# KiCad board board.kicad_pcb (continued)
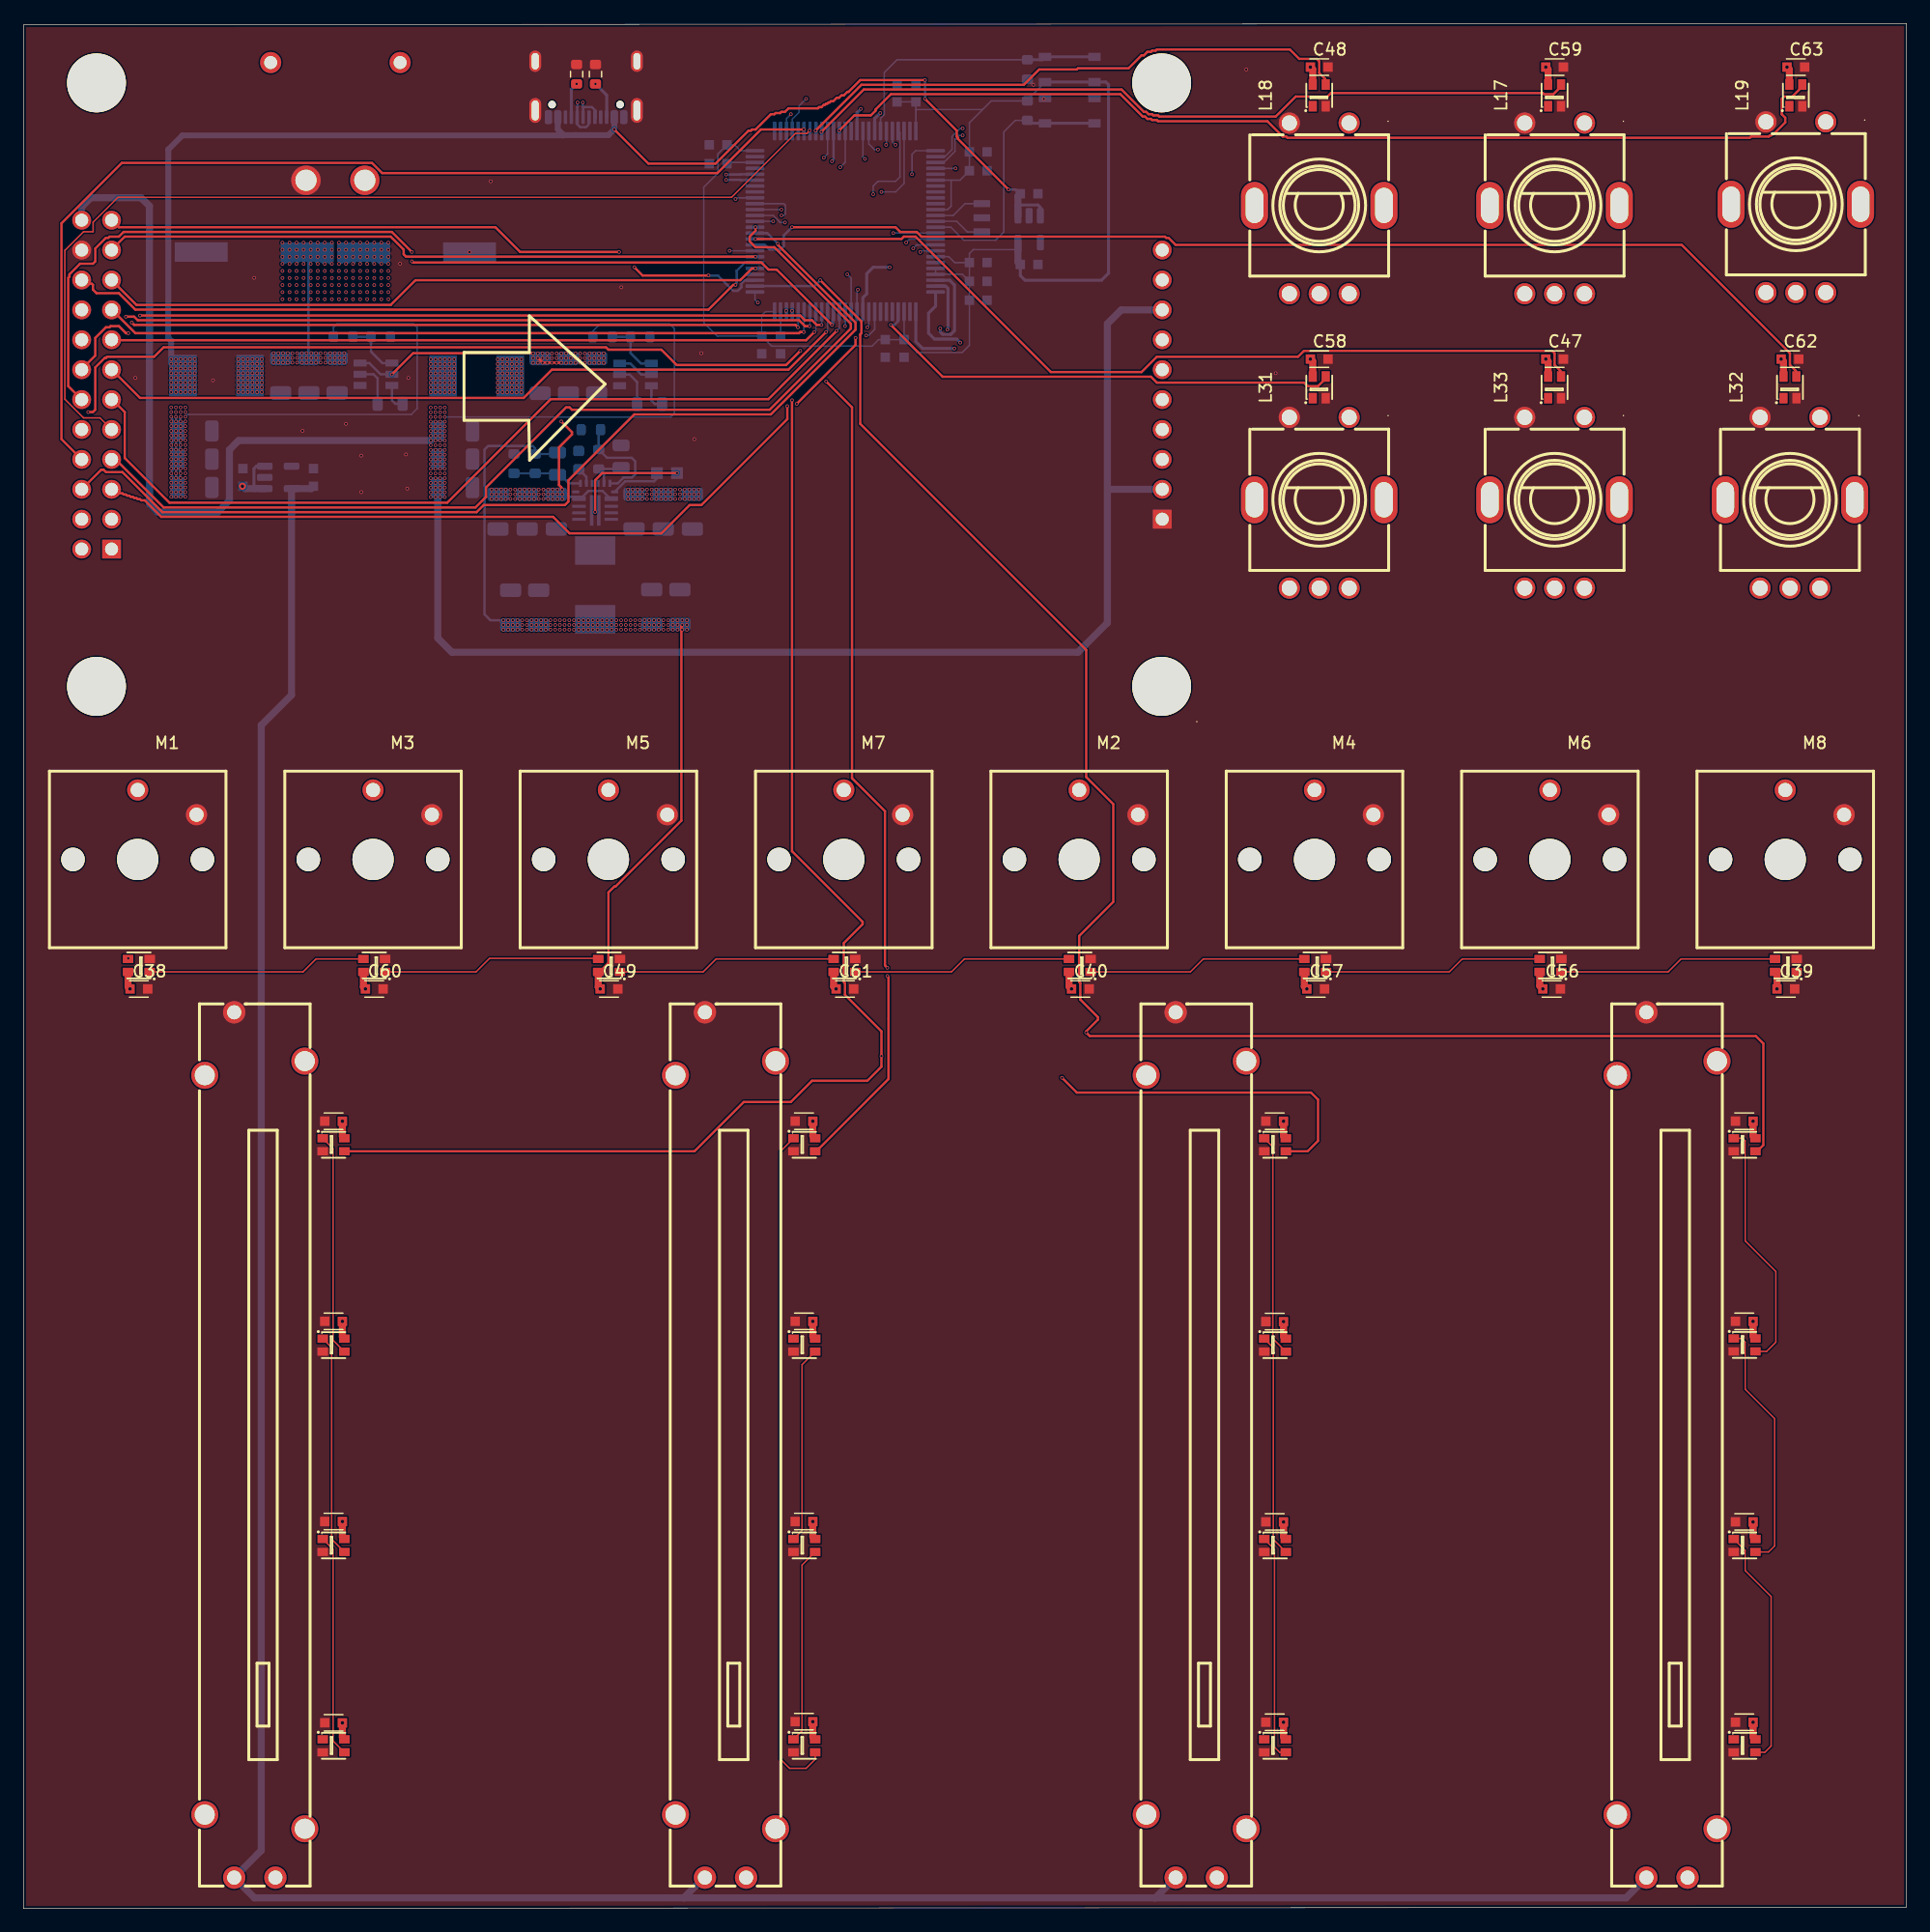
[diagram p0: board, top side]
## Nets
+3.3V_ANALOG: C3.1 F1.1 F2.1 F3.1 F4.1 U1.5
+3.3V_DIGITAL: C4.1 C11.1 C12.1 C13.1 C14.1 C15.1 C16.1 C17.1 C18.1 C19.1 C20.1 C21.1 R3.2 SW2.3 SW2.4 U2.5 U3.6 U3.11 U3.19 U3.21 U3.22 U3.28 U3.50 U3.75 U3.100
+3.3V_DISPLAY: C80.1 C83.1 C86.1 R9.2 U4.24 U4.26 U4.32 U8.2
+5V_LED: C22.1 C23.1 C24.1 C25.1 C26.1 C27.1 C28.1 C29.1 C30.1 C31.1 C32.1 C33.1 C34.1 C35.1 C36.1 C37.1 C38.1 C39.1 C40.1 C47.1 C48.1 C49.1 C56.1 C57.1 C58.1 C59.1 C60.1 C61.1 C62.1 C63.1 C85.2 C88.2 C89.2 C90.2 C91.2 L1.4 L2.4 L3.4 L4.4 L5.4 L6.4 L7.4 L8.4 L9.4 L10.4 L11.4 L12.4 L13.4 L14.4 L15.4 L16.4 L17.4 L18.4 L19.4 L20.4 L24.4 L28.4 L29.4 L30.4 L31.4 L32.4 L33.4 L34.4 L38.4 L42.4 L43.2 R8.1
+5V_SYS: C1.1 C2.1 C82.1 C84.1 C87.1 J1.A4 J1.A9 J1.B4 J1.B9 R11.2 U1.1 U1.3 U2.1 U2.3 U9.2
+12V: C5.1 C8.1 C64.2 C65.1 C66.1 C67.2 C68.1 C69.1 C70.2 C72.1 C73.2 C74.1 C75.2 C76.2 CN1.2 U5.3 U5.5 U6.3 U6.5 U7.2 U7.11
GND: C1.2 C2.2 C3.2 C4.2 C5.2 C8.2 C9.1 C10.1 C11.2 C12.2 C13.2 C14.2 C15.2 C16.2 C17.2 C18.2 C19.2 C20.2 C21.2 C22.2 C23.2 C24.2 C25.2 C26.2 C27.2 C28.2 C29.2 C30.2 C31.2 C32.2 C33.2 C34.2 C35.2 C36.2 C37.2 C38.2 C39.2 C40.2 C47.2 C48.2 C49.2 C56.2 C57.2 C58.2 C59.2 C60.2 C61.2 C62.2 C63.2 C64.1 C65.2 C66.2 C67.1 C68.2 C69.2 C70.1 C71.1 C72.2 C73.1 C74.2 C75.1 C76.1 C77.1 C80.2 C82.2 C83.2 C84.2 C86.2 C87.2 C88.1 C89.1 C90.1 C91.1 CN1.1 EN1.D EN2.D EN3.D EN4.D EN5.D EN6.D F1.3 F2.3 F3.3 F4.3 J1.A1 J1.A12 J1.B1 J1.B12 J1.SH L1.2 L2.2 L3.2 L4.2 L5.2 L6.2 L7.2 L8.2 L9.2 L10.2 L11.2 L12.2 L13.2 L14.2 L15.2 L16.2 L17.2 L18.2 L19.2 L20.2 L24.2 L28.2 L29.2 L30.2 L31.2 L32.2 L33.2 L34.2 L38.2 L42.2 M1.2 M2.2 M3.2 M4.2 M5.2 M6.2 M7.2 M8.2 R1.1 R2.1 R4.2 R5.2 R7.1 R10.1 R12.1 SW1.1 SW1.2 U1.2 U2.2 U3.10 U3.20 U3.27 U3.74 U3.99 U4.22 U4.25 U5.1 U6.1 U7.3 U7.4 U7.5 U7.8 U7.9 U7.10 X1.2
BACKLIGHT_PWM: U3.53 U4.23
BOOT0: R4.1 SW2.1 SW2.2 U3.94
CC1: J1.A5 R1.2
CC2: J1.B5 R2.2
EN: U7.15
ENC1_A: EN1.A U3.35
ENC1_B: EN1.B U3.36
ENC1_SW: EN1.E U3.37
ENC2_A: EN2.A U3.90
ENC2_B: EN2.B U3.91
ENC2_SW: EN2.E U3.92
ENC3_A: EN3.A U3.93
ENC3_B: EN3.B U3.95
ENC3_SW: EN3.E U3.96
ENC4_A: EN4.A U3.97
ENC4_B: EN4.B U3.98
ENC4_SW: EN4.E U3.1
ENC5_A: EN5.A U3.2
ENC5_B: EN5.B U3.3
ENC5_SW: EN5.E U3.4
ENC6_A: EN6.A U3.65
ENC6_B: EN6.B U3.66
ENC6_SW: EN6.E U3.78
FADER_1: F1.2 U3.23
FADER_2: F2.2 U3.24
FADER_3: F3.2 U3.25
FADER_4: F4.2 U3.26
FSMC_A16: U3.58 U4.2
FSMC_D0: U3.61 U4.6
FSMC_D1: U3.62 U4.7
FSMC_D2: U3.81 U4.8
FSMC_D3: U3.82 U4.9
FSMC_D4: U3.38 U4.10
FSMC_D5: U3.39 U4.11
FSMC_D6: U3.40 U4.12
FSMC_D7: U3.41 U4.13
FSMC_D8: U3.42 U4.14
FSMC_D9: U3.43 U4.15
FSMC_D10: U3.44 U4.16
FSMC_D11: U3.45 U4.17
FSMC_D12: U3.46 U4.18
FSMC_D13: U3.55 U4.19
FSMC_D14: U3.56 U4.20
FSMC_D15: U3.57 U4.21
FSMC_NE1: U3.88 U4.1
FSMC_NOE: U3.85 U4.4
FSMC_NWE: U3.86 U4.3
LCD_RST: U3.34 U4.5
LED_ENC1_DATA: L18.3 U3.83
LED_ENC2_DATA: L17.3 U3.84
LED_ENC3_DATA: L19.3 U3.87
LED_ENC4_DATA: L32.3 U3.59
LED_ENC5_DATA: L33.3 U3.60
LED_ENC6_DATA: L31.3 U3.29
LED_FADER1_DATA: L1.3 U3.47
LED_FADER2_DATA: L2.3 U3.48
LED_FADER3_DATA: L3.3 U3.51
LED_FADER4_DATA: L4.3 U3.52
LED_KEYS_DATA: L20.3 U3.67
SW_1: M1.1 U3.15
SW_2: M2.1 U3.16
SW_3: M3.1 U3.17
SW_4: M4.1 U3.18
SW_5: M5.1 U3.33
SW_6: M6.1 U3.63
SW_7: M7.1 U3.64
SW_8: M8.1 U3.79
SWCLK: U3.76
SWDIO: U3.72
USB_D+: J1.A6 J1.B6 U3.71
USB_D-: J1.A7 J1.B7 U3.70
Net-(C81-Pad2): C81.2 L43.1 U7.6 U7.7
Net-(L1-DOUT): L1.1 L5.3
Net-(L2-DOUT): L2.1 L6.3
Net-(L3-DOUT): L3.1 L7.3
Net-(L4-DOUT): L4.1 L8.3
Net-(L5-DOUT): L5.1 L9.3
Net-(L10-DIN): L6.1 L10.3
Net-(L10-DOUT): L10.1 L14.3
Net-(L11-DIN): L7.1 L11.3
Net-(L11-DOUT): L11.1 L15.3
Net-(L12-DIN): L8.1 L12.3
Net-(L12-DOUT): L12.1 L16.3
Net-(L13-DIN): L9.1 L13.3
Net-(L20-DOUT): L20.1 L24.3
Net-(L24-DOUT): L24.1 L28.3
Net-(L28-DOUT): L28.1 L29.3
Net-(L29-DOUT): L29.1 L30.3
Net-(L30-DOUT): L30.1 L34.3
Net-(L34-DOUT): L34.1 L38.3
Net-(L38-DOUT): L38.1 L42.3
Net-(U3-NRST): R3.1 SW1.3 SW1.4 U3.14
Net-(U3-PH0): U3.12 X1.1
Net-(U3-PH1): U3.13 X1.3
Net-(U3-VCAP_1): C9.2 U3.49
Net-(U3-VCAP_2): C10.2 U3.73
Net-(U5-SW): C78.2 U5.2 U8.1
Net-(U5-VBST): C78.1 U5.6
Net-(U5-VFB): R9.1 R10.2 U5.4
Net-(U6-SW): C79.2 U6.2 U9.1
Net-(U6-VBST): C79.1 U6.6
Net-(U6-VFB): R11.1 R12.2 U6.4
Net-(U7-BOOT): C81.1 U7.1
Net-(U7-FB): C85.1 R7.2 R8.2 U7.13
Net-(U7-MODE): R5.1 R6.2 U7.18
Net-(U7-SS): C71.2 U7.14
Net-(U7-VREG5): C77.2 R6.1 U7.17

Pads without a net: CN1 3 4; EN1 6 7 C; EN2 6 7 C; EN3 6 7 C; EN4 6 7 C; EN5 6 7 C; EN6 6 7 C; F1 4 5 6 7; F2 4 5 6 7; F3 4 5 6 7; F4 4 5 6 7; J1 A8 B8; L13 1; L14 1; L15 1; L16 1; L17 1; L18 1; L19 1; L31 1; L32 1; L33 1; L42 1; U1 4; U2 4; U3 5 7 8 9 30 31 32 54 68 69 77 80 89; U4 27 28 29 30 31 33 34; U7 12 16

## Via types
v1: diameter 0.3, hole 0.2, Top to Bottom, 926 vias
v2: diameter 0.6, hole 0.3, Top to Bottom, 31 vias

## Routing (per net, layer and track width the routed paths; a pad name or vN(x,y) marks a point on that pad's centre or on a via; arc(x,y) is an arc through that point)
+3.3V_ANALOG: length 248.4
  Bottom w0.6: F2.1 57.82,2.62 56.1,0.9 ; 96.1,0.9 136.18,0.9 F4.1 ; 96.1,0.9 56.1,0.9 ; 96.1,0.9 96.18,0.9 F3.1 ; 56.1,0.9 19.62,0.9 F1.1 20.2,4.92 20.2,100.5 22.78,103.08 22.78,120.6 24.44,120.6 C3.1
+3.3V_DIGITAL: length 127.9
  Bottom w0.125: 78.82,146.8 79.57,146.8 C12.1 C16.1 80.38,151.68 81.5,152.8 ; 78.82,146.8 78.82,144.6 78.52,144.3 U3.11 ; 78.82,146.8 U3.6 ; C13.1 62.73,135.3 63.05,135.62 U3.50 ; C13.1 63.57,132.7 72.1,132.7 72.65,133.25 C17.1 C20.1 ; C13.1 58.95,133.55 57.8,134.7 57.8,146.2 59,147.4 59,149.03 C18.1 60.43,149.8 60.93,149.3 U3.75 ; C20.1 U3.28 ; C20.1 75.91,132.16 79.76,132.16 80.38,132.78 C14.1 C21.1 ; 75.82,152.8 75.82,150.97 ; 75.82,152.8 81.5,152.8 ; 75.82,152.8 C15.1 C11.1 ; 81.5,152.8 82.23,153.53 R3.2 85.3,153.63 SW2.4 ; C19.1 79.77,138.8 U3.22 U3.21 ; C21.1 79.12,139.8 78.62,140.3 U3.19 ; C21.1 80.38,140.57 80.7,140.9 84.4,140.9 84.5,140.8
  Bottom w0.254: SW2.4 SW2.3 91.97,155.13 92.2,154.9 92.2,138.9 91.6,138.3 85.1,138.3 84.7,138.7 C4.1
  Bottom w0.6: C4.1 84.5,139.84 U2.5
+3.3V_DISPLAY: length 203
  Bottom w0.125: v1(35.8,126.69) 55,126.69 55.3,126.98 55.3,134.19 54.9,134.59 49,134.59 48.38,133.96 R9.2
  Bottom w0.6: U4.24 4.94,144.54 5.7,145.3 10,145.3 10.7,144.6 10.7,119.3 11.4,118.6 16.5,118.6 17.5,119.6 17.5,123.9 18.28,124.69 v1(34.6,124.69) ; 92.24,120.54 U4.26 ; U4.32 93.28,135.78 92.1,134.6 92.1,109.2 89.6,106.7 36.4,106.7 35.2,107.9 C83.1
  vias: v1(34.6,131.59) v1(34.6,131.19) v1(34.6,130.78) v1(34.6,130.38) v1(34.6,129.99) v1(34.6,129.59) v1(34.6,129.19) v1(34.6,128.78) v1(34.6,127.48) v1(34.6,127.09) v1(34.6,126.69) v1(34.6,126.28) v1(34.6,125.88) v1(34.6,125.48) v1(34.6,125.09) v1(34.6,124.28) v1(34.6,123.88) v1(34.6,123.48) v1(34.6,123.09) v1(34.6,122.69) v1(34.6,122.28) v1(34.6,121.88) v1(34.6,121.48) v1(34.6,121.09) v1(34.6,120.69) v1(34.6,120.28) v1(34.6,119.88) v1(35,131.59) v1(35,131.19) v1(35,130.78) v1(35,130.38) v1(35,129.99) v1(35,129.59) v1(35,129.19) v1(35,128.78) v1(35,127.48) v1(35,127.09) v1(35,126.69) v1(35,126.28) v1(35,125.88) v1(35,125.48) v1(35,125.09) v1(35,124.69) v1(35,124.28) v1(35,123.88) v1(35,123.48) v1(35,123.09) v1(35,122.69) v1(35,122.28) v1(35,121.88) v1(35,121.48) v1(35,121.09) v1(35,120.69) v1(35,120.28) v1(35,119.88) v1(35.4,131.59) v1(35.4,131.19) v1(35.4,130.78) v1(35.4,130.38) v1(35.4,129.99) v1(35.4,129.59) v1(35.4,129.19) v1(35.4,128.78) v1(35.4,127.48) v1(35.4,127.09) v1(35.4,126.69) v1(35.4,126.28) v1(35.4,125.88) v1(35.4,125.48) v1(35.4,125.09) v1(35.4,124.69) v1(35.4,124.28) v1(35.4,123.88) v1(35.4,123.48) v1(35.4,123.09) v1(35.4,122.69) v1(35.4,122.28) v1(35.4,121.88) v1(35.4,121.48) v1(35.4,121.09) v1(35.4,120.69) v1(35.4,120.28) v1(35.4,119.88) v1(35.8,131.59) v1(35.8,131.19) v1(35.8,130.78) v1(35.8,130.38) v1(35.8,129.99) v1(35.8,129.59) v1(35.8,129.19) v1(35.8,128.78) v1(35.8,127.48) v1(35.8,127.09) v1(35.8,126.28) v1(35.8,125.88) v1(35.8,125.48) v1(35.8,125.09) v1(35.8,124.69) v1(35.8,124.28) v1(35.8,123.88) v1(35.8,123.48) v1(35.8,123.09) v1(35.8,122.69) v1(35.8,122.28) v1(35.8,121.88) v1(35.8,121.48) v1(35.8,121.09) v1(35.8,120.69) v1(35.8,120.28) v1(35.8,119.88) v1(36.2,131.59) v1(36.2,131.19) v1(36.2,130.78) v1(36.2,130.38) v1(36.2,129.99) v1(36.2,129.59) v1(36.2,129.19) v1(36.2,128.78) v1(36.6,131.59) v1(36.6,131.19) v1(36.6,130.78) v1(36.6,130.38) v1(36.6,129.99) v1(36.6,129.59) v1(36.6,129.19) v1(36.6,128.78)
+5V_LED: length 724.7
  Top w0.2: 56,109 55.9,108.9 55.9,92.4 50.3,86.8 50.2,86.8 49.7,86.3 49.7,80.3 49,79.6 48.8,79.6 L28.4
  Top w0.6: L32.4 149.55,131.4 v2(149.35,131.6) ; v2(107.07,66.86) 107.07,65.61 107.26,65.42 ; 107.26,31.38 107.07,31.58 v2(107.07,32.83) ; v2(149,78.1) 149,79.39 L42.4 ; v2(149.85,156.4) 150.05,156.2 L19.4 ; v2(129.35,156.4) 129.55,156.2 L17.4 ; L29.4 68.83,78.31 v2(69.05,78.1) ; v2(27.09,32.87) 27.09,31.55 L9.4 ; L18.4 109.55,156.2 v2(109.35,156.4) ; v2(146.97,49.87) 146.97,48.61 L8.4 ; v2(49,78.1) 48.83,78.27 L28.4 ; L38.4 128.83,78.36 v2(129.1,78.1) ; v2(109.05,78.1) 108.83,78.31 L34.4 ; 107.26,48.4 107.07,48.6 v2(107.07,49.85) ; 67.26,14.37 67.07,14.56 v2(67.07,15.87) ; v2(107.07,15.81) 107.07,14.56 107.26,14.37 ; L13.4 27.09,14.53 v2(27.09,15.76) ; L5.4 27.09,48.57 v2(27.09,49.87) ; L33.4 129.55,131.4 v2(129.35,131.6) ; v2(109.35,131.6) 109.55,131.4 L31.4 ; v2(89.05,78.1) 88.83,78.31 L30.4 ; 27.26,65.42 27.09,65.58 v2(27.09,66.86) ; v2(146.97,66.86) 146.97,65.61 147.17,65.42 ; v2(67.07,66.86) 67.07,65.61 67.26,65.42 ; v2(67.07,49.87) 67.07,48.6 67.26,48.4 ; 67.26,31.38 67.07,31.58 v2(67.07,32.87) ; L20.4 8.88,78.27 v2(9.05,78.1) ; v2(146.97,32.83) 146.97,31.58 L12.4 ; v2(29.05,78.1) 28.88,78.27 L24.4 ; L16.4 146.97,14.56 v2(146.97,15.81)
  In4.Cu w0.6: v2(109.05,78.1) v2(89.05,78.1) v2(69.05,78.1) ; v2(109.05,78.1) 109.05,68.85 v2(107.07,66.86) v2(107.07,15.81) ; v2(109.05,78.1) 119.1,78.1 ; 137.3,78.1 v2(149,78.1) 149,68.4 147.46,66.86 v2(146.97,66.86) v2(146.97,15.81) ; 137.3,78.1 140.2,81 140.2,131.6 ; 137.3,78.1 v2(129.1,78.1) 119.1,78.1 ; v2(29.05,78.1) v2(9.05,78.1) ; v2(29.05,78.1) 29.05,68.82 v2(27.09,66.86) v2(27.09,15.76) ; v2(29.05,78.1) v2(49,78.1) v2(69.05,78.1) ; 119.1,78.1 120.9,79.9 120.9,131.6 v2(109.35,131.6) ; 140.2,131.6 v2(149.35,131.6) 154.6,131.6 158.5,135.5 158.5,153.1 155.2,156.4 v2(149.85,156.4) v2(109.35,156.4) ; 140.2,131.6 v2(129.35,131.6) ; v2(69.05,78.1) 69.05,68.85 67.07,66.87 v2(67.07,66.86) v2(67.07,15.87)
  Bottom w0.2: v1(44.78,109.42) C89.2 ; C89.2 v1(42.78,108.62) ; C89.2 v1(42.78,109.42) ; C89.2 v1(44.78,108.62) ; 56,109 55.9,109 55.8,109.1 C91.2 ; v1(40.78,109.42) 39.68,109.42 39.18,109.92 39.18,123.92 39.47,124.22 43.28,124.22 43.47,124.02 R8.1 45.25,123.54 C85.2 ; v1(54.38,108.62) C90.2 ; C90.2 v1(52.38,109.42) ; C90.2 v1(54.38,109.42) ; C90.2 v1(52.38,108.62) ; v1(54.77,109.42) C91.2 ; C91.2 v1(54.77,108.62)
  vias: v1(40.78,109.02) v1(40.78,108.62) v1(41.18,109.42) v1(41.18,109.02) v1(41.18,108.62) v1(41.57,109.42) v1(41.57,109.02) v1(41.57,108.62) v1(41.97,109.42) v1(41.97,109.02) v1(41.97,108.62) v1(42.38,109.42) v1(42.38,109.02) v1(42.38,108.62) v1(42.78,109.02) v1(43.18,109.42) v1(43.18,109.02) v1(43.18,108.62) v1(43.57,109.42) v1(43.57,109.02) v1(43.57,108.62) v1(43.97,109.42) v1(43.97,109.02) v1(43.97,108.62) v1(44.38,109.42) v1(44.38,109.02) v1(44.38,108.62) v1(44.78,109.02) v1(45.18,109.42) v1(45.18,109.02) v1(45.18,108.62) v1(45.57,109.42) v1(45.57,109.02) v1(45.57,108.62) v1(45.97,109.42) v1(45.97,109.02) v1(45.97,108.62) v1(46.38,109.42) v1(46.38,109.02) v1(46.38,108.62) v1(46.77,109.42) v1(46.77,109.02) v1(46.77,108.62) v1(47.18,109.42) v1(47.18,109.02) v1(47.18,108.62) v1(47.57,109.42) v1(47.57,109.02) v1(47.57,108.62) v1(47.98,109.42) v1(47.98,109.02) v1(47.98,108.62) v1(48.38,109.42) v1(48.38,109.02) v1(48.38,108.62) v1(48.77,109.42) v1(48.77,109.02) v1(48.77,108.62) v1(49.18,109.42) v1(49.18,109.02) v1(49.18,108.62) v1(49.57,109.42) v1(49.57,109.02) v1(49.57,108.62) v1(49.98,109.42) v1(49.98,109.02) v1(49.98,108.62) v1(50.38,109.42) v1(50.38,109.02) v1(50.38,108.62) v1(50.77,109.42) v1(50.77,109.02) v1(50.77,108.62) v1(51.18,109.42) v1(51.18,109.02) v1(51.18,108.62) v1(51.57,109.42) v1(51.57,109.02) v1(51.57,108.62) v1(51.98,109.42) v1(51.98,109.02) v1(51.98,108.62) v1(52.38,109.02) v1(52.77,109.42) v1(52.77,109.02) v1(52.77,108.62) v1(53.18,109.42) v1(53.18,109.02) v1(53.18,108.62) v1(53.57,109.42) v1(53.57,109.02) v1(53.57,108.62) v1(53.98,109.42) v1(53.98,109.02) v1(53.98,108.62) v1(54.38,109.02) v1(54.77,109.02) v1(55.18,109.42) v1(55.18,109.02) v1(55.18,108.62) v1(55.57,109.42) v1(55.57,109.02) v1(55.57,108.62) v1(55.98,109.42) v1(55.98,109.02) v1(55.98,108.62) v1(56.38,109.42) v1(56.38,109.02) v1(56.38,108.62)
+5V_SYS: length 187.9
  Top w0.2: v1(83.7,146) 79.4,150.3 79.4,150.4 79.3,150.5 79.3,151 v1(76.6,153.7) ; v1(76.6,155.3) 71.1,155.3 70.1,154.3 70,154.3 69.7,154 69.5,154 69.3,153.8 69.1,153.8 68.8,153.5 68.6,153.5 68.5,153.4 68.4,153.4 68.3,153.3 68.2,153.3 68.1,153.2 68,153.2 67.8,153 67.6,153 67.5,152.9 65,152.9 64.7,152.6 64.4,152.6 64.3,152.5 63.9,152.5 63.8,152.4 63.5,152.4 62.2,151.1 61.9,151.1 61.8,151 61.6,151 58.8,148.2 53.1,148.2 v1(50.2,151.1)
  In1.Cu w0.5: v2(18.6,120.8) 18.6,119.4 17.9,118.7 13.9,118.7 13.35,119.25 v1(13.35,119.9)
  Bottom w0.125: v1(13.75,126.7) 13.95,126.9 32.95,126.9 33.45,127.4 33.45,134.3 33.15,134.6 26.65,134.6 26.32,134.28 26.32,133.5
  Bottom w0.2: v1(13.75,120.7) C84.1 ; C84.1 v1(13.75,120.3) ; C84.1 v1(12.95,121.9) C87.1 ; C84.1 v1(13.75,121.5) ; C84.1 v1(12.55,121.9) C87.1 ; C84.1 v1(13.35,121.9) C87.1 ; C84.1 v1(13.75,119.9) ; C84.1 v1(13.75,121.1) ; C87.1 v1(12.95,124.3) C82.1 ; C87.1 v1(13.75,122.3) ; C87.1 v1(13.35,124.3) C82.1 ; C87.1 v1(13.75,123.1) ; C87.1 v1(13.75,123.9) ; C87.1 v1(13.75,123.5) ; C87.1 v1(13.75,122.7) ; C87.1 v1(12.55,124.3) C82.1 ; v1(13.75,125.1) C82.1 ; C82.1 v1(13.75,125.5) ; C82.1 v1(13.75,125.9) ; C82.1 v1(13.35,126.7) ; C82.1 v1(13.75,126.3) ; C82.1 v1(12.55,126.7) ; C82.1 v1(12.95,126.7) ; C82.1 v1(13.75,124.7) ; v1(83.7,146) 84.3,146 84.7,145.6 C2.1 ; v1(76.6,155.3) v1(76.6,153.7) ; 50.2,151.12 v1(50.2,151.1)
  Bottom w0.254: U1.3 19.79,122.5 19.59,122.3 19.59,120.65 19.64,120.6 ; U2.3 86.4,144.49 86.2,144.69 84.55,144.69 84.5,144.64
  Bottom w0.5: 45.9,150.62 45.88,150.6 13.5,150.6 12.3,149.4 12.3,133.4 12.55,133.15 v1(12.55,131.2) ; 45.9,150.62 49.7,150.62 50.2,151.12 J1.A9 ; 45.9,150.62 45.4,151.12 J1.A4
  Bottom w0.6: C2.1 84.5,145.44 U2.1 ; C1.1 18.84,120.6 U1.1
  vias: v1(12.55,131.6) v1(12.55,130.8) v1(12.55,130.4) v1(12.55,130) v1(12.55,129.6) v1(12.55,129.2) v1(12.55,128.8) v1(12.55,127.5) v1(12.55,127.1) v1(12.55,126.3) v1(12.55,125.9) v1(12.55,125.5) v1(12.55,125.1) v1(12.55,124.7) v1(12.55,123.9) v1(12.55,123.5) v1(12.55,123.1) v1(12.55,122.7) v1(12.55,122.3) v1(12.55,121.5) v1(12.55,121.1) v1(12.55,120.7) v1(12.55,120.3) v1(12.55,119.9) v1(12.95,131.6) v1(12.95,131.2) v1(12.95,130.8) v1(12.95,130.4) v1(12.95,130) v1(12.95,129.6) v1(12.95,129.2) v1(12.95,128.8) v1(12.95,127.5) v1(12.95,127.1) v1(12.95,126.3) v1(12.95,125.9) v1(12.95,125.5) v1(12.95,125.1) v1(12.95,124.7) v1(12.95,123.9) v1(12.95,123.5) v1(12.95,123.1) v1(12.95,122.7) v1(12.95,122.3) v1(12.95,121.5) v1(12.95,121.1) v1(12.95,120.7) v1(12.95,120.3) v1(12.95,119.9) v1(13.35,131.6) v1(13.35,131.2) v1(13.35,130.8) v1(13.35,130.4) v1(13.35,130) v1(13.35,129.6) v1(13.35,129.2) v1(13.35,128.8) v1(13.35,127.5) v1(13.35,127.1) v1(13.35,126.3) v1(13.35,125.9) v1(13.35,125.5) v1(13.35,125.1) v1(13.35,124.7) v1(13.35,123.9) v1(13.35,123.5) v1(13.35,123.1) v1(13.35,122.7) v1(13.35,122.3) v1(13.35,121.5) v1(13.35,121.1) v1(13.35,120.7) v1(13.35,120.3) v1(13.75,131.6) v1(13.75,131.2) v1(13.75,130.8) v1(13.75,130.4) v1(13.75,130) v1(13.75,129.6) v1(13.75,129.2) v1(13.75,128.8) v1(13.75,127.5) v1(13.75,127.1) v1(13.75,124.3) v1(13.75,121.9) v1(14.15,131.6) v1(14.15,131.2) v1(14.15,130.8) v1(14.15,130.4) v1(14.15,130) v1(14.15,129.6) v1(14.15,129.2) v1(14.15,128.8) v1(14.55,131.6) v1(14.55,131.2) v1(14.55,130.8) v1(14.55,130.4) v1(14.55,130) v1(14.55,129.6) v1(14.55,129.2) v1(14.55,128.8)
+12V: length 111.1
  Top w0.2: 45.7,131.3 44.1,131.3 43.7,131.7 ; v1(31.3,130.3) 33.1,132.1 43.3,132.1 ; 45.8,120.5 45.7,120.6 45.7,120.7 45.5,120.9 45.5,124.1 46.6,125.2 46.6,125.4 v1(45.7,126.3)
  In1.Cu w0.2: 45.7,131.3 v1(45.7,126.3)
  Bottom w0.2: v1(41.78,120.52) C64.2 ; C64.2 v1(41.78,119.72) ; C64.2 v1(41.78,120.12) ; v1(41.38,120.52) C67.2 ; C67.2 v1(41.38,120.12) ; C67.2 v1(41.38,119.72) ; v1(31,139.69) C8.1 ; C8.1 v1(28.6,139.69) ; C8.1 v1(26.8,139.69) ; C8.1 v1(29.8,139.69) ; C8.1 v1(29.2,139.69) ; C8.1 v1(28,139.69) ; C8.1 v1(30.4,139.69) ; C8.1 v1(27.4,139.69) ; v1(23.25,132.1) C74.1 ; C74.1 v1(25.25,131.3) ; C74.1 v1(23.25,131.3) ; C74.1 v1(25.25,132.1) ; C74.1 24.2,131.7 24.2,140.6 24.1,140.7 ; v1(45.3,131.28) C68.1 ; C68.1 v1(47.3,131.28) ; C68.1 v1(47.3,132.09) ; C68.1 v1(45.3,132.09) ; U6.3 29.39,131.26 30.34,130.31 U6.5 v1(31.3,130.3) ; v1(22,139.69) C5.1 ; C5.1 v1(23.2,139.69) ; C5.1 v1(24.4,139.69) ; C5.1 v1(22.6,139.69) ; C5.1 v1(23.8,139.69) ; C5.1 v1(25,139.69) ; C5.1 v1(26.2,139.69) ; C5.1 v1(25.6,139.69) ; v1(44.18,120.12) C76.2 ; C76.2 v1(44.18,119.72) ; C76.2 v1(44.18,120.52) ; v1(55.77,119.72) C70.2 ; C70.2 v1(55.77,120.12) ; C70.2 v1(55.77,120.52) ; v1(22.85,132.1) C66.1 v1(22.85,131.3) ; v1(55.38,120.12) C73.2 ; C73.2 v1(55.38,120.52) ; C73.2 v1(55.38,119.72) ; v1(44.9,131.28) C72.1 ; C72.1 v1(44.9,132.09) ; C72.1 43.9,131.6 43.8,131.6 43.3,132.1 ; v1(25.65,131.3) C69.1 v1(25.65,132.1) ; v1(52.98,120.52) C75.2 ; C75.2 v1(52.98,120.12) ; C75.2 v1(52.98,119.72) ; v1(47.7,132.09) C65.1 v1(47.7,131.28) ; U7.2 49.9,119.7 49.2,120.4 48,120.4 47.5,119.9 46.4,119.9 45.8,120.5 ; U5.3 51.55,131.24 52.5,130.28 U5.5 ; 43.66,131.74 43.7,131.7
  vias: v1(21.25,132.1) v1(21.25,131.7) v1(21.25,131.3) v1(21.65,132.1) v1(21.65,131.7) v1(21.65,131.3) v1(22,141.49) v1(22,140.89) v1(22,140.29) v1(22,139.09) v1(22,138.49) v1(22,137.89) v1(22,137.29) v1(22,136.69) v1(22.05,132.1) v1(22.05,131.7) v1(22.05,131.3) v1(22.45,132.1) v1(22.45,131.7) v1(22.45,131.3) v1(22.6,141.49) v1(22.6,140.89) v1(22.6,140.29) v1(22.6,139.09) v1(22.6,138.49) v1(22.6,137.89) v1(22.6,137.29) v1(22.6,136.69) v1(22.85,131.7) v1(23.2,141.49) v1(23.2,140.89) v1(23.2,140.29) v1(23.2,139.09) v1(23.2,138.49) v1(23.2,137.89) v1(23.2,137.29) v1(23.2,136.69) v1(23.25,131.7) v1(23.65,132.1) v1(23.65,131.7) v1(23.65,131.3) v1(23.8,141.49) v1(23.8,140.89) v1(23.8,140.29) v1(23.8,139.09) v1(23.8,138.49) v1(23.8,137.89) v1(23.8,137.29) v1(23.8,136.69) v1(24.05,132.1) v1(24.05,131.7) v1(24.05,131.3) v1(24.4,141.49) v1(24.4,140.89) v1(24.4,140.29) v1(24.4,139.09) v1(24.4,138.49) v1(24.4,137.89) v1(24.4,137.29) v1(24.4,136.69) v1(24.45,132.1) v1(24.45,131.7) v1(24.45,131.3) v1(24.85,132.1) v1(24.85,131.7) v1(24.85,131.3) v1(25,141.49) v1(25,140.89) v1(25,140.29) v1(25,139.09) v1(25,138.49) v1(25,137.89) v1(25,137.29) v1(25,136.69) v1(25.25,131.7) v1(25.6,141.49) v1(25.6,140.89) v1(25.6,140.29) v1(25.6,139.09) v1(25.6,138.49) v1(25.6,137.89) v1(25.6,137.29) v1(25.6,136.69) v1(25.65,131.7) v1(26.05,132.1) v1(26.05,131.7) v1(26.05,131.3) v1(26.2,141.49) v1(26.2,140.89) v1(26.2,140.29) v1(26.2,139.09) v1(26.2,138.49) v1(26.2,137.89) v1(26.2,137.29) v1(26.2,136.69) v1(26.45,132.1) v1(26.45,131.7) v1(26.45,131.3) v1(26.8,141.49) v1(26.8,140.89) v1(26.8,140.29) v1(26.8,139.09) v1(26.8,138.49) v1(26.8,137.89) v1(26.8,137.29) v1(26.8,136.69) v1(26.85,132.1) v1(26.85,131.7) v1(26.85,131.3) v1(27.25,132.1) v1(27.25,131.7) v1(27.25,131.3) v1(27.4,141.49) v1(27.4,140.89) v1(27.4,140.29) v1(27.4,139.09) v1(27.4,138.49) v1(27.4,137.89) v1(27.4,137.29) v1(27.4,136.69) v1(28,141.49) v1(28,140.89) v1(28,140.29) v1(28,139.09) v1(28,138.49) v1(28,137.89) v1(28,137.29) v1(28,136.69) v1(28.6,141.49) v1(28.6,140.89) v1(28.6,140.29) v1(28.6,139.09) v1(28.6,138.49) v1(28.6,137.89) v1(28.6,137.29) v1(28.6,136.69) v1(29.2,141.49) v1(29.2,140.89) v1(29.2,140.29) v1(29.2,139.09) v1(29.2,138.49) v1(29.2,137.89) v1(29.2,137.29) v1(29.2,136.69) v1(29.8,141.49) v1(29.8,140.89) v1(29.8,140.29) v1(29.8,139.09) v1(29.8,138.49) v1(29.8,137.89) v1(29.8,137.29) v1(29.8,136.69) v1(30.4,141.49) v1(30.4,140.89) v1(30.4,140.29) v1(30.4,139.09) v1(30.4,138.49) v1(30.4,137.89) v1(30.4,137.29) v1(30.4,136.69) v1(31,141.49) v1(31,140.89) v1(31,140.29) v1(31,139.09) v1(31,138.49) v1(31,137.89) v1(31,137.29) v1(31,136.69) v1(39.78,120.52) v1(39.78,120.12) v1(39.78,119.72) v1(40.18,120.52) v1(40.18,120.12) v1(40.18,119.72) v1(40.57,120.52) v1(40.57,120.12) v1(40.57,119.72) v1(40.97,120.52) v1(40.97,120.12) v1(40.97,119.72) v1(42.18,120.52) v1(42.18,120.12) v1(42.18,119.72) v1(42.57,120.52) v1(42.57,120.12) v1(42.57,119.72) v1(42.97,120.52) v1(42.97,120.12) v1(42.97,119.72) v1(43.3,132.09) v1(43.3,131.69) v1(43.3,131.28) v1(43.38,120.52) v1(43.38,120.12) v1(43.38,119.72) v1(43.7,132.09) v1(43.7,131.69) v1(43.7,131.28) v1(43.78,120.52) v1(43.78,120.12) v1(43.78,119.72) v1(44.1,132.09) v1(44.1,131.69) v1(44.1,131.28) v1(44.5,132.09) v1(44.5,131.69) v1(44.5,131.28) v1(44.57,120.52) v1(44.57,120.12) v1(44.57,119.72) v1(44.9,131.69) v1(44.97,120.52) v1(44.97,120.12) v1(44.97,119.72) v1(45.3,131.69) v1(45.38,120.52) v1(45.38,120.12) v1(45.38,119.72) v1(45.7,132.09) v1(45.7,131.69) v1(45.7,131.28) v1(45.78,120.52) v1(45.78,120.12) v1(45.78,119.72) v1(46.1,132.09) v1(46.1,131.69) v1(46.1,131.28) v1(46.5,132.09) v1(46.5,131.69) v1(46.5,131.28) v1(46.9,132.09) v1(46.9,131.69) v1(46.9,131.28) v1(47.3,131.69) v1(47.7,131.69) v1(48.1,132.09) v1(48.1,131.69) v1(48.1,131.28) v1(48.5,132.09) v1(48.5,131.69) v1(48.5,131.28) v1(48.9,132.09) v1(48.9,131.69) v1(48.9,131.28) v1(49.3,132.09) v1(49.3,131.69) v1(49.3,131.28) v1(51.38,120.52) v1(51.38,120.12) v1(51.38,119.72) v1(51.77,120.52) v1(51.77,120.12) v1(51.77,119.72) v1(52.18,120.52) v1(52.18,120.12) v1(52.18,119.72) v1(52.57,120.52) v1(52.57,120.12) v1(52.57,119.72) v1(53.38,120.52) v1(53.38,120.12) v1(53.38,119.72) v1(53.77,120.52) v1(53.77,120.12) v1(53.77,119.72) v1(54.18,120.52) v1(54.18,120.12) v1(54.18,119.72) v1(54.57,120.52) v1(54.57,120.12) v1(54.57,119.72) v1(54.98,120.52) v1(54.98,120.12) v1(54.98,119.72) v1(56.18,120.52) v1(56.18,120.12) v1(56.18,119.72) v1(56.57,120.52) v1(56.57,120.12) v1(56.57,119.72) v1(56.98,120.52) v1(56.98,120.12) v1(56.98,119.72) v1(57.38,120.52) v1(57.38,120.12) v1(57.38,119.72)
GND: length 2.6
  In1.Cu w0.2: v1(86.7,153.7) 85.8,154.6 v1(85.8,154.9)
  Bottom w0.2: v1(86.7,153.7) 86.8,153.8 SW1.2 ; 85.77,154.97 v1(85.8,154.9) 85.3,155.4 R4.2
  vias: v1(9.5,130) v1(16.1,129.8) v1(19.6,138.5) v1(23.7,125.5) v1(27.4,126.1) v1(28.7,123.4) v1(28.7,120.3) v1(32,139.7) v1(32.5,123.5) v1(32.6,120.6) v1(32.7,130) v1(37.9,140.69) v1(39.7,146.7) v1(50.8,137.7) v1(57,124.8) v1(57.6,132.1) v1(103.9,156.2) v1(106.4,130.4)
BACKLIGHT_PWM: length 57.8
  Top w0.2: v1(51.9,139.4) 52.6,138.7 v1(58.2,138.7) ; 7.5,143.4 8.1,142.8 40.1,142.8 42.2,140.7 v1(50.6,140.7)
  In1.Cu w0.2: v1(50.6,140.7) v1(51.9,139.4)
  Bottom w0.2: v1(58.2,138.7) 59,138.7 60.3,137.4 60.7,137.4 61,137.7 61,138 61.3,138.3 62.2,138.3 U3.53
BOOT0: length 23.5
  Bottom w0.125: R4.1 74.23,157.03 73.14,155.94 73.14,152.36 72.82,152.05 72.82,150.97
  Bottom w0.254: SW2.1 SW2.2 86.56,157.03 R4.1
CC1: length 3
  Bottom w0.254: J1.A5 46.55,154.53 v1(47,154.97)
CC2: length 3.2
  Bottom w0.254: J1.B5 49.55,154.03 v1(48.6,154.97)
ENC1_A: length 40.4
  In1.Cu w0.254: v1(73.6,139.4) 105.31,139.4 EN1.A
  Bottom w0.254: v1(73.6,139.4) 72.2,139.4 71.65,138.85 71.65,137.15 71.32,136.82 U3.35
ENC1_B: length 60.1
  In2.Cu w0.125: EN1.B 112.64,145.26 110.6,147.3 102.9,147.3 100.3,144.7 72.3,144.7 70.9,143.3 v1(70.9,137.5)
  Bottom w0.125: U3.36 70.82,137.43 v1(70.9,137.5)
ENC1_SW: length 56.4
  In4.Cu w0.2: EN1.E 112.64,150.14 111.5,149 73,149 70,146 v1(70,138.8)
  Bottom w0.125: v1(70,138.8) 70.32,138.47 U3.37
ENC2_A: length 70.5
  In1.Cu w0.254: EN2.A 127.56,146.34 126.2,147.7 94.9,147.7 89.5,153.1 71.4,153.1 v1(71.15,152.85)
  Bottom w0.254: v1(71.15,152.85) 70.82,152.53 70.82,150.97
ENC2_B: length 74
  In2.Cu w0.125: EN2.B 132.64,146.76 131.2,148.2 71.9,148.2 v1(71.5,148.6)
  Bottom w0.125: v1(71.5,148.6) 71.32,148.78 71.32,150.97
ENC2_SW: length 64.4
  In4.Cu w0.125: v1(72.6,149.4) 102.2,149.4
  In4.Cu w0.2: 102.2,149.4 106.1,153.3 130.99,153.3 EN2.E
  Bottom w0.125: v1(72.6,149.4) 72.3,149.4 71.82,149.88 71.82,150.97
ENC3_A: length 85.1
  In1.Cu w0.254: v1(72.8,152.5) 89.2,152.5 101.8,139.9 116.6,139.9 121.4,135.1 145.91,135.1 EN3.A
  Bottom w0.254: v1(72.8,152.5) 72.32,152.03 72.32,150.97
ENC3_B: length 92.2
  In2.Cu w0.125: v1(73.3,149.8) 73.3,149.7 74,149 151.5,149 153.14,147.36 EN3.B
  Bottom w0.125: 73.32,150.97 73.32,149.82 v1(73.3,149.8)
ENC3_SW: length 82.8
  In4.Cu w0.125: v1(74.1,149.8) 101.5,149.8
  In4.Cu w0.2: EN3.E 151.19,153.7 105.4,153.7 101.5,149.8
  Bottom w0.125: v1(74.1,149.8) 73.82,150.07 73.82,150.97
ENC4_A: length 74.2
  In1.Cu w0.254: EN4.A 106.61,113.1 74.4,113.1 72.2,115.3 v1(72.2,145.6)
  Bottom w0.125: v1(72.2,145.6) 72.2,146.3 72.6,146.7 74.1,146.7 74.48,147.07 74.48,150.82 74.32,150.97
ENC4_B: length 77.9
  In1.Cu w0.254: v1(72.9,145.8) 72.9,115.8 75,113.7 111.09,113.7 EN4.B
  Bottom w0.125: v1(72.9,145.8) 74.1,145.8 74.82,146.53 74.82,150.97
ENC4_SW: length 58.3
  In4.Cu w0.125: EN4.E 112.64,127.96 111.8,128.8 103.8,128.8 102.3,130.3 102.3,144 99,147.3 v1(75.5,147.3)
  Bottom w0.125: v1(75.5,147.3) 75.5,149 75.8,149.3 U3.1
ENC5_A: length 91.6
  In3.Cu w0.125: EN5.A 125.31,109.9 88.4,109.9 86.25,112.05 86.25,149.3 84.35,151.2 v1(79.8,151.2)
  Bottom w0.125: U3.2 78.3,148.8 78.9,149.4 78.9,150.5 79.6,151.2 v1(79.8,151.2)
ENC5_B: length 96.6
  In3.Cu w0.125: v1(79.8,150.6) 84.6,150.6 86,149.2 86,111.8 88.2,109.6 130.09,109.6 EN5.B
  Bottom w0.125: v1(79.8,150.6) 79.5,150.6 79.15,150.25 79.15,149.25 78.2,148.3 U3.3
ENC5_SW: length 71.1
  In4.Cu w0.125: v1(79.2,147.8) 99.3,147.8 103,144.1 103,134.2 104.5,132.7 122,132.7 124.4,130.3 131.4,130.3 132.64,129.06 EN5.E
  Bottom w0.125: U3.4 v1(79.2,147.8)
ENC6_A: length 117.7
  In3.Cu w0.125: v1(64.4,144.3) 80,144.3 85.2,139.1 85.2,111.1 87.2,109.1 144.51,109.1 EN6.A
  Bottom w0.125: U3.65 v1(64.4,144.3)
ENC6_B: length 124.3
  In3.Cu w0.125: v1(64.4,143.8) 64.7,143.8 64.8,143.9 79.9,143.9 84.9,138.9 84.9,110.9 86.95,108.85 149.34,108.85 EN6.B
  Bottom w0.125: v1(64.4,143.8) 64.6,143.8 64.74,143.94 64.74,144.66 64.6,144.8 U3.66
ENC6_SW: length 115.1
  In3.Cu w0.125: v1(65.2,152.4) 65.7,151.9 99.1,151.9 100.4,150.6 100.4,136.6 102.7,134.3 153.4,134.3 154.6,133.1 154.6,127.4 153.85,126.65 EN6.E
  Bottom w0.125: 64.82,150.97 64.82,152.03 v1(65.2,152.4)
FADER_1: length 190.6
  In3.Cu w0.254: F1.2 36.72,2.62 41.2,7.1 41.2,98.7 43.3,100.8 76.2,100.8 77.9,102.5 v1(77.9,134.2)
  Bottom w0.254: v1(77.9,134.2) 77.9,133.9 78.1,133.7 78.8,133.7 79.1,134 79.1,137.9 78.7,138.3 U3.23
FADER_2: length 152.3
  In3.Cu w0.254: F2.2 76.82,2.62 78.5,4.3 v1(78.5,134.1)
  Bottom w0.254: U3.24 78.35,137.8 78.55,137.6 78.55,134.15 v1(78.5,134.1)
FADER_3: length 156.9
  In3.Cu w0.254: v1(79.6,133) 80,132.6 80,7.2 81.9,5.3 100.2,5.3 101.4,4.1 F3.2
  Bottom w0.254: v1(79.6,133) 79.3,133.3 77.4,133.3 76.9,133.8 76.9,135.5 77.5,136.1 U3.25
FADER_4: length 200.1
  In3.Cu w0.254: F4.2 141.4,1.5 140.7,0.8 81.4,0.8 79.1,3.1 v1(79.1,132.5)
  Bottom w0.254: U3.26 75.82,133.07 76.4,132.5 v1(79.1,132.5)
FSMC_A16: length 80.7
  In3.Cu w0.125: v1(60,140.8) 59.56,140.36 59.56,118.26 58.1,116.8 6.28,116.8 U4.2
  Bottom w0.125: U3.58 v1(60,140.8)
FSMC_D0: length 87.8
  Top w0.2: v1(64.1,141.4) 64.1,141.3 70.7,134.7 70.7,134.1 63.5,126.9 51.9,126.9 46.3,121.3 46.3,119.5 46,119.2 39.1,119.2 38.5,118.6 11.8,118.6 8.4,122 7,122 6.8,122.2 6.6,122.2 4.9,120.5
  Bottom w0.2: v1(64.1,141.4) 63.2,142.3 U3.61
FSMC_D1: length 84.4
  Top w0.2: v1(62.2,142.8) 62.2,142.5 61.7,142 61.7,141.6 62.2,141.1 63.8,141.1 70.3,134.6 70.3,134.2 63.4,127.3 46.6,127.3 46.4,127.5 46.1,127.5 39.3,120.7 39.3,119.9 38.4,119 11.9,119 7.8,123.1
FSMC_D2: length 88
  Top w0.2: U4.8 3.22,124.8 3.22,143.13 8.35,148.26 29.61,148.26 30.47,147.4 58.96,147.4 62.66,151.1 v1(66.3,151.1)
  Bottom w0.2: 66.32,150.97 66.3,151 v1(66.3,151.1)
FSMC_D3: length 85.7
  Top w0.125: U4.9 6.49,126.61 5.1,126.61 3.51,128.19 3.51,140.83 5.1,142.41 5.91,142.41 5.91,143.23 8.02,145.34 60.16,145.34 65.59,150.76 66.56,150.76 v1(66.8,151)
FSMC_D4: length 73
  Top w0.2: v1(5.5,127.1) 5.9,127.1 6.1,127.3 6.1,130.9 6.9,131.7 7,131.7 7.1,131.8 11.1,131.8 11.9,132.6 49.5,132.6 49.7,132.4 54.2,132.4 55.5,131.1 64.8,131.1 v1(66,132.3)
  In1.Cu w0.2: v1(5.5,127.1) 5.5,126.2
  In2.Cu w0.2: v1(69.8,134.4) 69.8,134 68.1,132.3 v1(66,132.3)
  Bottom w0.125: U3.38 69.82,134.43
FSMC_D5: length 75.3
  Top w0.2: 7.5,128.2 8.6,127.1 8.6,123.2 12.4,119.4 36,119.4 44.8,128.2 63.3,128.2 v1(69.1,134)
  Bottom w0.125: U3.39 69.32,134.22 v1(69.1,134)
FSMC_D6: length 84.1
  Top w0.2: v1(68.7,134.5) 64,139.2 63.3,139.2 62.7,139.8 33.1,139.8 v1(33,139.9) ; 4.9,128.2 3.8,129.3 3.8,138.5 3.9,138.6 3.9,138.8 4.8,139.7 5.9,139.7 6.1,139.9 6.1,141 7,141.9 7.2,141.9 7.3,142 8.1,142 8.5,142.4 31.3,142.4 v1(33,140.7)
  In1.Cu w0.2: v1(33,139.9) v1(33,140.7)
  Bottom w0.125: U3.40 68.82,134.62 v1(68.7,134.5)
  Bottom w0.2: v1(68.7,134.5) U3.40
FSMC_D7: length 65.8
  Top w0.2: v1(68.2,133.9) 65,130.7 44.9,130.7 42.5,128.3 9.9,128.3 7.5,130.7
  Bottom w0.125: U3.41 68.32,134.03 v1(68.2,133.9)
FSMC_D8: length 68
  Top w0.2: v1(8.9,133.8) 8.7,133.8 8.1,134.4 7.4,134.4 7.3,134.3 7,134.3 6.1,133.4 6.1,131.9 4.9,130.7 ; v1(67.8,134.5) 67.4,134.5 67,134.9 66.4,134.9 66,135.3 v1(9.9,135.3)
  In1.Cu w0.2: v1(8.9,133.8) 9,133.8 9.7,134.5 9.7,135.1 v1(9.9,135.3)
  Bottom w0.125: U3.42 67.82,134.53
FSMC_D9: length 61.8
  Top w0.2: v1(67.2,133.9) 66.5,133.2 7.5,133.2
  Bottom w0.125: U3.43 67.32,134.03 v1(67.2,133.9)
FSMC_D10: length 64.3
  Top w0.2: v1(8.7,135.2) 9.4,135.2 9.7,134.9 65.9,134.9 66.4,134.4 v1(66.8,134.4)
  In4.Cu w0.2: v1(8.7,135.2) 8.5,135.2 7.7,134.4 6.1,134.4 4.9,133.2
  Bottom w0.125: U3.44 66.82,134.43
FSMC_D11: length 61.4
  Top w0.2: v1(66.3,133.9) 66,133.9 65.9,133.8 9.5,133.8 7.5,135.8
  Bottom w0.125: U3.45 66.32,133.93
FSMC_D12: length 62.8
  Top w0.2: v1(65.8,134.3) 65.6,134.5 9.4,134.5 v1(9.2,134.7)
  In2.Cu w0.2: 4.9,135.8 6,134.7 v1(9.2,134.7)
  Bottom w0.125: U3.46 65.82,134.32
FSMC_D13: length 56.9
  Top w0.2: 7.5,138.3 9.6,136.2 31.2,136.2 33.3,138.3 60.9,138.3 61.9,139.3 v1(62.2,139.3)
FSMC_D14: length 60.6
  Top w0.2: 5.2,138.3 5.5,138 5.8,138 5.9,137.9 5.9,137.5 6.2,137.2 8.1,137.2 9.5,135.8 58.2,135.8 60.3,137.9 v1(60.5,137.9)
  Bottom w0.2: v1(60.5,137.9) 60.5,138 60.6,138.1 60.6,139.1 61.3,139.8 62.2,139.8 U3.56
FSMC_D15: length 56.1
  Top w0.2: 7.5,140.9 8.6,142 31.2,142 32.3,140.9 32.3,140.5 32.5,140.3 v1(62.2,140.3)
FSMC_NE1: length 92.5
  In4.Cu w0.125: v1(69.4,147.9) 67,145.5 64.4,145.5 60.4,141.5 60.4,138.24 60.36,138.24 60.16,138.04 60.16,137.76 60.36,137.56 60.4,137.56 60.4,118.2 57.66,115.46 U4.1
  Bottom w0.125: v1(69.4,147.9) 69.82,148.32 69.82,150.97
FSMC_NOE: length 90.5
  In4.Cu w0.125: U4.4 5.93,118.99 57.88,118.99 59.4,120.51 59.4,139.9 59.2,140.1 59.2,141.11 66.79,148.7 v1(68,148.7)
  Bottom w0.125: v1(68,148.7) 68.32,149.03 68.32,150.97
FSMC_NWE: length 89.3
  In4.Cu w0.2: v1(68.7,148.4) 66.09,145.79 64.28,145.79 59.49,140.99 59.49,140.22 59.69,140.02 59.69,140.01 60.11,139.59 60.11,138.4 59.88,138.16 59.88,137.64 60.11,137.4 60.11,120.81 57.3,118 U4.3
  Bottom w0.2: v1(68.7,148.4) 68.82,148.53 68.82,150.97
LCD_RST: length 75.1
  Top w0.2: v1(64.9,127.6) 64.9,126.5 57.6,119.2 56.6,119.2 54.2,116.8 46.4,116.8 45,118.2 11.7,118.2 10.3,119.6 10,119.6 9.9,119.7 9.7,119.7 9.6,119.8 9.4,119.8 9.3,119.9 9.1,119.9 9,120 8.8,120 8.7,120.1 8.5,120.1 8.4,120.2 8.1,120.2 7.8,120.5 ; v1(70.7,133.4) 70.7,132.8 v1(65.7,127.8)
  In1.Cu w0.2: v1(70.7,133.4) 71.6,134.3 v1(71.7,134.3)
  In2.Cu w0.2: v1(64.9,127.6) 65.5,127.6 v1(65.7,127.8)
  Bottom w0.125: v1(71.7,134.3) 71.82,134.43 U3.34
LED_ENC1_DATA: length 48.3
  Top w0.2: L18.3 110.6,154.9 110.6,155.4 110.1,155.9 110.1,156.9 109.9,157.1 108.4,157.1 107.6,157.9 96.3,157.9 96.2,157.8 95.9,157.8 95.8,157.7 95.5,157.7 95.2,157.4 95,157.4 93.9,156.3 89.6,156.3 89.5,156.2 86.3,156.2 85,154.9 71.2,154.9 v1(67.3,151)
